# Altium PCB MLB_REV1.PcbDoc (part 2 of 4) (continued)
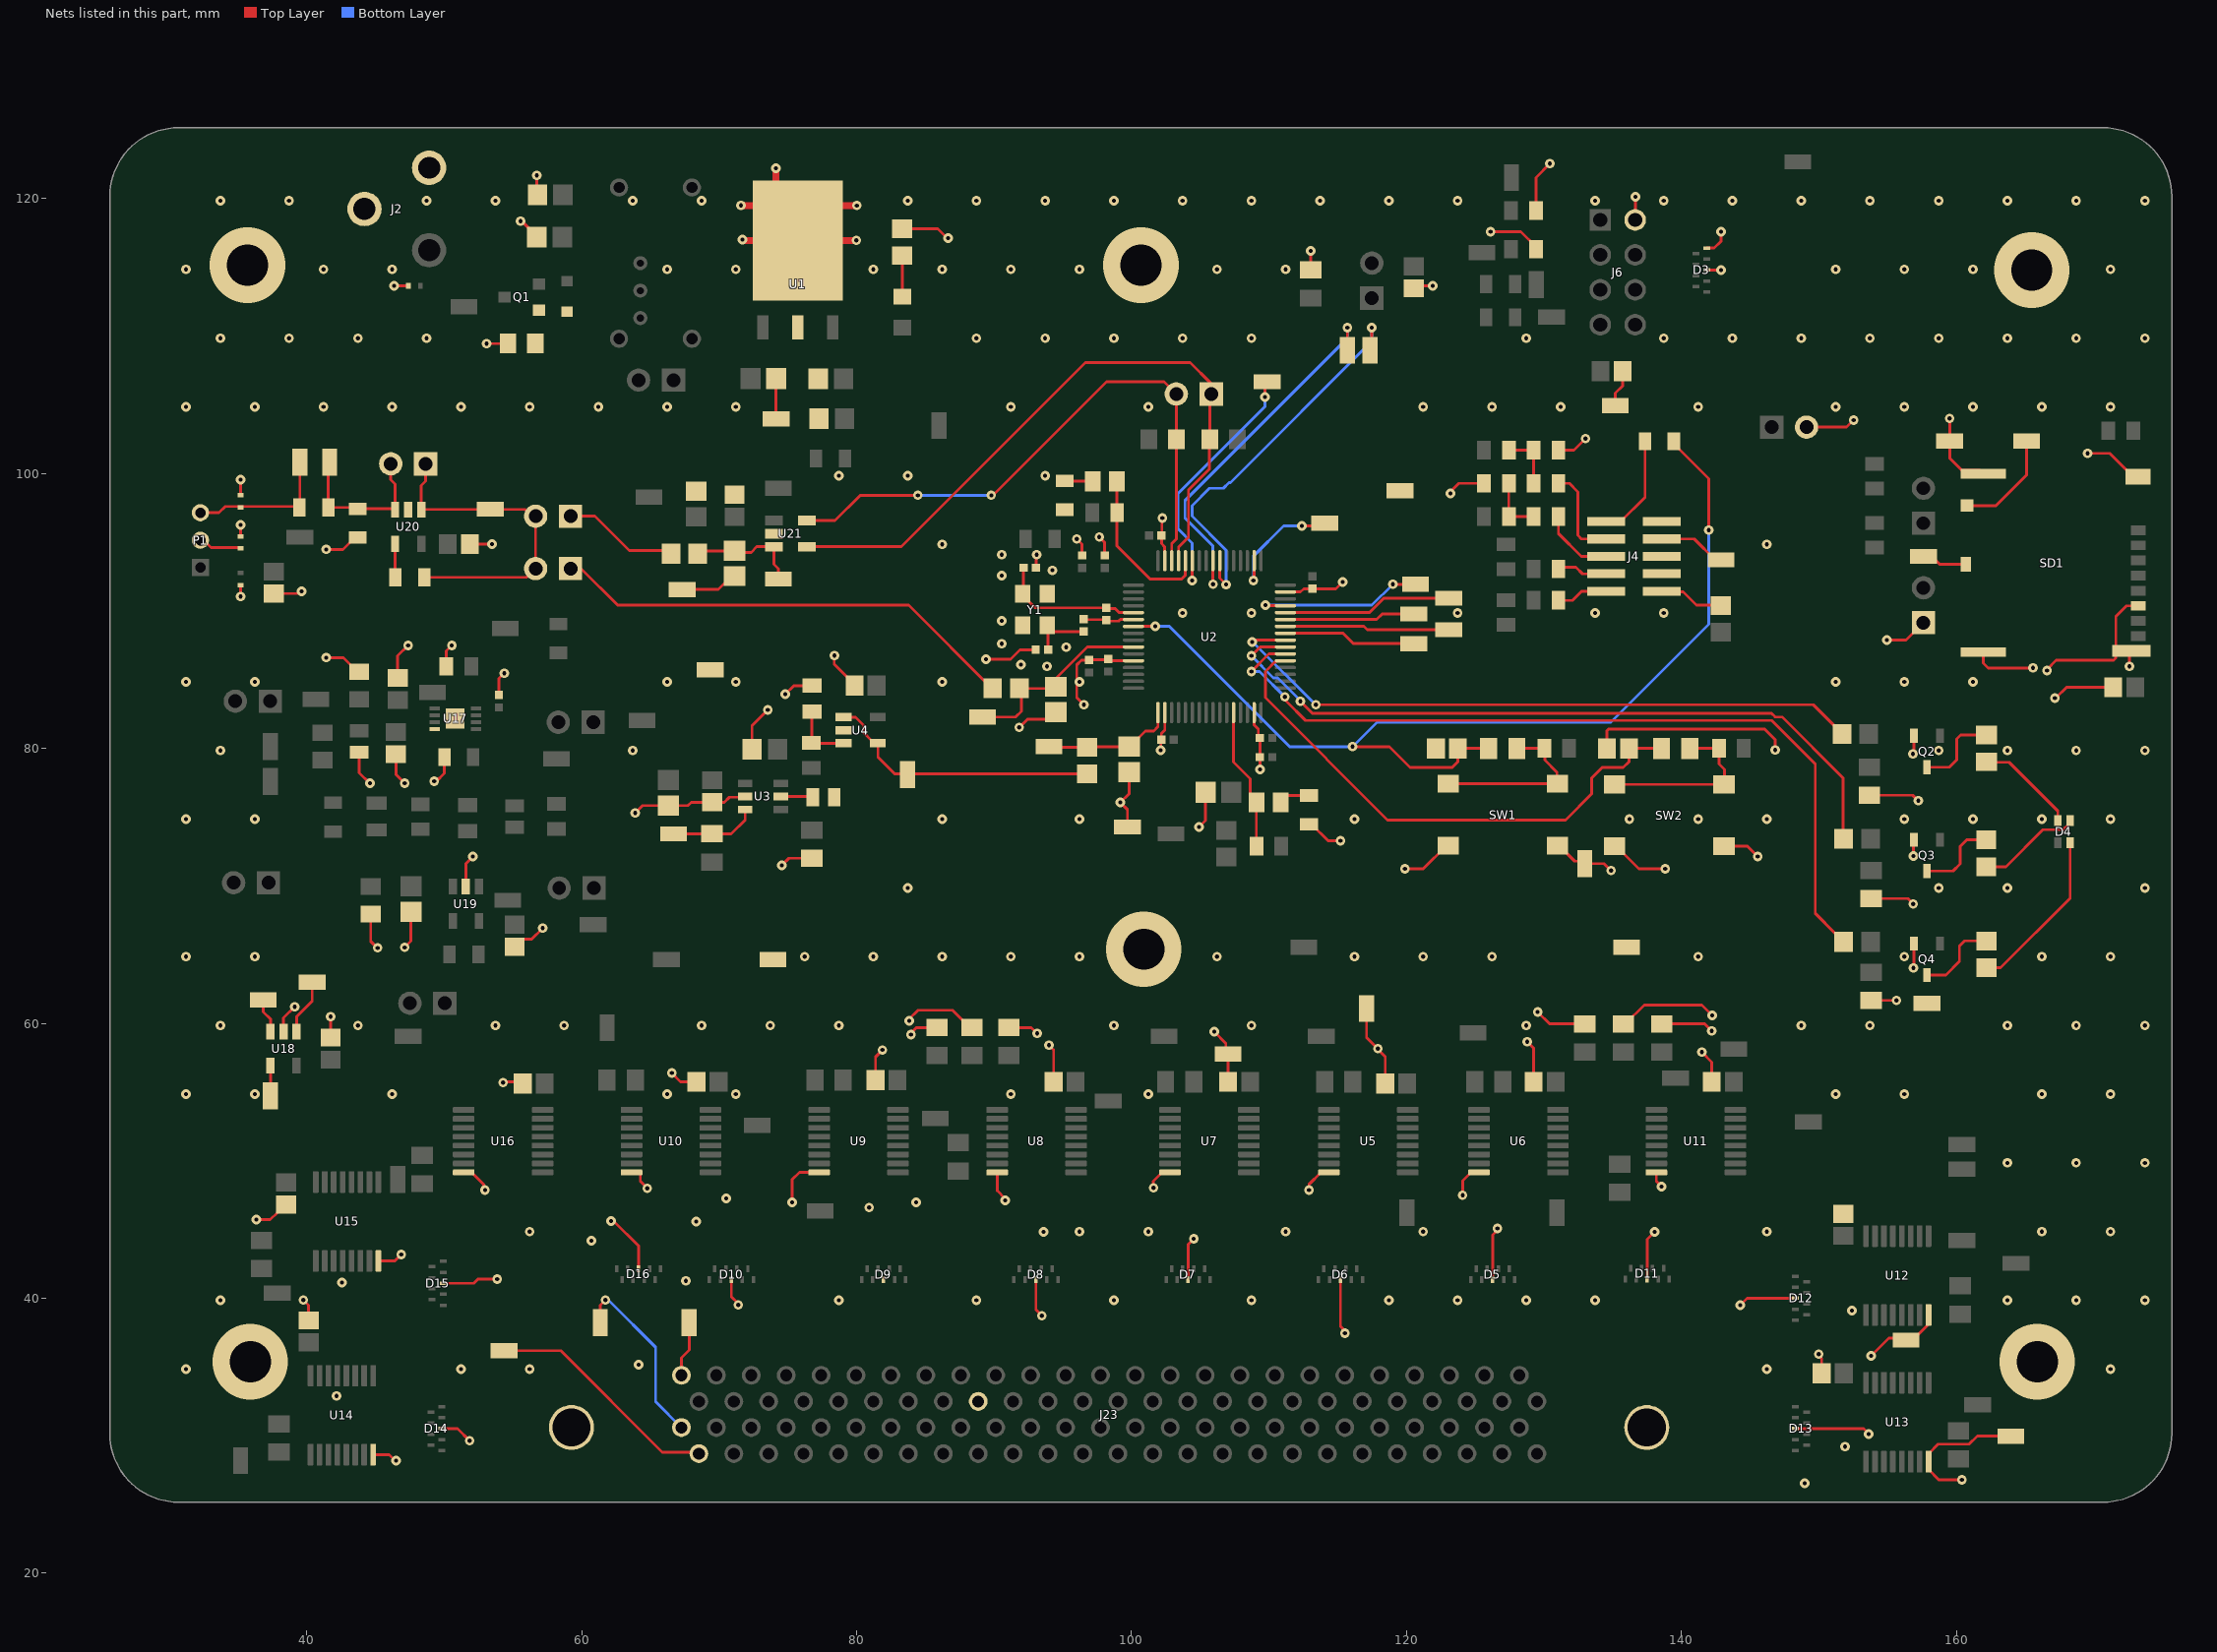
[diagram p4: the nets of this part, all layers, seen from the top]
## Part data (continued)
U4 U18 U19 U20: library part MCP6411T-E_OT, "IC OPAMP GP 1 CIRCUIT SOT23-5", Manufacturer=Microchip, Mouser Part Number=579-MCP6411T-E/OT, Supplier Part Number=MCP6411T-E/OTCT-ND, Arrow Part Number=MCP6411T-E/OT, Arrow Price/Stock=https://www.arrow.com/en/products/mcp6411t-eot/microchip-technology, Datasheet Link=http://ww1.microchip.com/downloads/en/DeviceDoc/20005791B.pdf, Height=1.45mm, Manufacturer Part Number=MCP6411T-E/OT, Mouser Price/Stock=https://www.mouser.com/Search/Refine.aspx?Keyword=579-MCP6411T-E%2FOT, Supplier=Digi-Key
U5 U6 U7 U8 U9 U10 U11 U12 U13 U14 U15 U16: "1 Circuit IC Switch 8:1 750mOhm 16-TSSOP", Package="TSSOP-16 NXP USA", Check_prices=https://www.snapeda.com/parts/NX3L4051PW,118/NXP%20USA%20Inc./view-part/648693/?ref=eda, Digi-Key_Part_Number=568-12393-1-ND, MF="NXP USA", MP=NX3L4051PW,118, Purchase-URL=https://pricing.snapeda.com/search/part/NX3L4051PW,118/?ref=eda, SnapEDA_Link=https://www.snapeda.com/parts/NX3L4051PW,118/NXP%20USA%20Inc./view-part/648693/?ref=snap
U17: library part CMP-0187-00751-2, "None", Case/Package=SOIC, Input Bias Current=10pA, Input Offset Voltage (Vos)=3mV, Manufacturer="Microchip Technology", Max Operating Temperature=125°C, Max Supply Current=800uA, Max Supply Voltage=5.5V, Min Operating Temperature=-40°C, Min Supply Voltage=1.8V, Package Quantity=3300, Power Supply Rejection Ratio (PSRR)=62dB, Supplier Part Number=MCP6N11T-001E/MNYCT-ND, Bandwidth=500kHz, Common Mode Rejection Ratio=70dB, Gain Bandwidth Product=500kHz, Height=0.75mm, Input Offset Voltage-Max=3mV, Lead Free="Lead Free", Length=3mm, Manufacturer Part Number=MCP6N11T-001E/MNY, Mount="Surface Mount", Nominal Supply Current=800uA, Number of Amplifiers=1, Number of Channels=1, Number of Circuits=1, Number of Elements=2, Number of Pins=8, Packaging="Tape and Reel", Radiation Hardening=No, REACH SVHC="No SVHC", RoHS Compliant=Yes, Slew Rate=9V/µs, Supplier=Digi-Key, Supply Current=800uA, Unity Gain Bandwidth Product=500kHz, Width=2mm
U21: "Low Power 12-Bit A/D Converter With I2C Interface, 5-Pin SOT-23, Extended Temperature, Tape and Reel", Manufacturer="Microchip Technology", Supplier Part Number=MCP3221A7T-E/OTCT-ND, Code_IPC=SOT23-5, ComponentLink1Description="Manufacturer URL", ComponentLink1URL=http://www.microchip.com/, ComponentLink2Description=Datasheet, ComponentLink2URL=http://ww1.microchip.com/downloads/en/DeviceDoc/21732c.pdf, ComponentLink3Description="Package Specification", ComponentLink3URL=http://www.microchip.com/stellent/groups/techpub_sg/documents/packagingspec/en012702.pdf, DatasheetVersion="revC, Jul-2006", Manufacturer Part Number=MCP3221A7T-E/OT, PackageDescription="5-Lead Plastic Small Outline Transistor (OT) [SOT-23]", PackageReference=SOT-23-OT5, PackageVersion="revBB, Aug-2009", RevisionNote="URLs added.", Supplier=Digi-Key
Y1: "Crystal 20MHz Â±10ppm (Tol) Â±10ppm (Stability) 9pF FUND 40Ohm 4-Pin Mini-CSMD T/R", Manufacturer="ECS Inc.", Package=None, Supplier Part Number=XC2464CT-ND, Availability=Good, Check_prices=https://www.snapeda.com/parts/ECS-260-9-33B-CKY-TR/ECS%20Inc./view-part/5048361/?ref=eda, Manufacturer Part Number=ECS-200-9-33B-CKY-TR, MF="ECS Inc.", Price=None, Purchase-URL=https://pricing.snapeda.com/search/part/ECS-260-9-33B-CKY-TR/?ref=eda, SnapEDA_Link=https://www.snapeda.com/parts/ECS-260-9-33B-CKY-TR/ECS%20Inc./view-part/5048361/?ref=snap, Supplier=Digi-Key

## Via types
v1: diameter 0.7, hole 0.3, Top Layer to Bottom Layer, tented both sides, 572 vias
v2: diameter 0.7, hole 0.3, Top Layer to Bottom Layer, tented bottom, 79 vias
v3: diameter 5.5, hole 3, Top Layer to Bottom Layer, 6 vias

## Nets (pads, with @x,y where several pads share a name; then routed paths per layer and width w, separated by ;. In a path a pad name is that pad's centre, name@x,y a point inside that pad or via, vN(x,y) a via of type N, cw(c..) or ccw(c..) an arc to the next point about the centre after c; other vN are vias at no path point)
3V3_SENSE: C26.1 R54.2 TP26.1 U2.17 | length 9.6
  Top Layer w0.203: TP26.1@93.98,80.137 94.02,80.097 R54.2@96.774,80.097 96.814,80.137 C26.1@99.822,80.137 99.873,80.137 100.499,80.763 100.499,80.775 101.003,81.28 101.6,81.28 101.914,81.594 U2.17@101.914,82.613
3V3_SENSE_IN: R53.1 R55.2 U4.3 | length 4.6
  Top Layer w0.203: R55.2@76.739,82.673 76.739,80.433 R53.1@76.708,80.402 76.723,80.387 U4.3@79.045,80.387
3V3_SENSE_OUT: R54.1 TP25.1 U4.1 U4.4 | length 22
  Top Layer w0.203: U4.1@79.045,82.287 79.07,82.262 79.917,82.262 80.518,81.661 80.518,81.142 81.071,80.589 81.071,80.585 81.27,80.387 U4.4@81.545,80.387 81.545,79.364 82.764,78.145 83.693,78.145 R54.1@96.774,78.145 ; R54.1@96.801,78.118 97.35,77.57 97.403,77.57 R54.1@96.828,78.145
AUDIO_ADC_IN+: C51.1 R47.2 TP84.1 U21.3 | length 8.4
  Top Layer w0.203: R47.2@68.438,94.183 68.564,94.309 68.564,94.361 C51.1@71.032,94.361 ; C51.1@71.12,94.398 71.069,94.398 C51.1@71.032,94.361 ; TP84.1@74.295,92.329 74.295,93.091 73.984,93.402 U21.3@73.984,94.681 72.735,94.681 72.327,94.273 71.12,94.273 C51.1@71.032,94.361
AUDIO_BUFF_IN+: J28.2 R89.1 R91.2 TP79.1 U20.3 | length 11.7
  Top Layer w0.203: TP79.1@41.656,100.838 41.563,100.745 R89.1@41.563,97.536 43.595,97.536 R91.2@43.688,97.443 46.367,97.443 U20.3@46.421,97.389 46.421,99.248 46.101,99.568 J28.2@46.101,100.711
AUDIO_BUFF_IN-: R92.1 U20.4 | length 2.6
  Top Layer w0.203: U20.4@46.421,94.889 R92.1@46.421,92.556 ; R92.1@46.421,92.556 46.321,92.456 46.384,92.519 R92.1@46.421,92.556
AUDIO_CONN: D17.1 P1.3 R89.2 TP80.1 | length 10.8
  Top Layer w0.203: P1.3@32.258,97.155 33.61,97.155 34.061,97.606 35.179,97.606 39.266,97.606 R89.2@39.463,97.409 ; R89.2@39.463,97.536 39.497,97.57 TP80.1@39.497,100.838
AUDIO_OUT: C48.1 R43.2 TP77.1 U2.10 | length 14.5
  Top Layer w0.203: TP77.1@89.154,82.296 91.567,82.296 91.982,82.711 91.982,84.328 92.021,84.367 94.488,84.367 94.564,84.367 94.603,84.406 94.603,85.205 96.786,87.388 U2.10@100.139,87.388
AUDIO_OUT_J: J25.2 J28.1 J29.2 R92.2 TP78.1 U20.1 | length 24.1
  Top Layer w0.203: R92.2@48.548,92.456 55.969,92.456 56.642,93.129 J29.2@56.642,96.901 56.361,96.901 55.873,97.389 U20.1@48.321,97.389 48.321,99.121 48.641,99.441 J28.1@48.641,100.711
AUDIO_OUT_R: J25.1 R43.1 | length 34.3
  Top Layer w0.203: J25.1@59.182,93.091 59.226,93.047 59.988,93.047 62.611,90.424 83.786,90.424 R43.1@89.882,84.328
BTN_TEST: C20.1 R36.2 U2.37 | length 39.6
  Top Layer w0.203: U2.37@111.189,86.388 110.526,86.388 110.503,86.365 110.494,86.365 110.397,86.267 110.382,86.267 110.16,86.045 110.16,86.03 109.728,85.598 109.728,83.693 118.618,74.803 131.572,74.803 133.477,76.708 133.477,77.851 134.239,78.613 135.763,78.613 136.183,79.033 C20.1@136.183,80.01 R36.2@138.548,80.01
BTN_TEST_R: R34.1 R36.1 SW2.1 SW2.2 | length 12.9
  Top Layer w0.203: SW2.1@135.143,77.386 SW2.2@143.093,77.386 143.129,77.422 143.129,78.486 142.737,78.878 R34.1@142.737,80.01 R36.1@140.598,80.01
GND: C1.2 C2.2 C3.2 C4.2 C5.2 C6.2 C7.2 C8.2 C9.2 C10.2 C11.2 C12.2 C13.2 C14.2 C15.2 C16.2 C17.2 C18.2 C19.2 C20.2 C21.2 C22.2 C23.2 C24.2 C25.2 C26.2 C27.2 C28.2 C29.2 C30.2 C31.2 C32.2 C33.2 C34.2 C35.2 C36.2 C37.2 C38.2 C39.2 C40.2 C41.2 C42.2 C43.1 C44.1 C45.2 C46.1 C47.1 C48.2 C49.2 C50.2 C51.2 D1.2 D3.3 D3.5 D5.3 D6.3 D7.3 D8.3 D9.3 D10.3 D11.3 D12.3 D13.3 D14.3 D15.3 D16.3 D17.2 D18.1 D18.2 D19.2 J2.2 J2.3 J4.3 J4.5 J4.9 J6.2 J8.2 J9.1 J23.33 J23.101 J23.102 P1.2 Q2.2 Q3.2 Q4.2 R11.1 R12.2 R13.1 R14.1 R17.1 R27.1 R31.1 R32.1 R42.1 R45.1 R46.1 R49.1 R50.1 R51.2 R55.1 R58.1 R59.1 R60.1 R65.1 R66.1 R67.1 R75.2 R76.1 R79.1 R80.1 R87.1 R91.1 SD1.6 SD1.11 SD1.12 SD1.13 SD1.14 SW1.3 SW1.4 SW2.3 SW2.4 TP18.1 TP40.1 TP41.1 TP44.1 TP45.1 TP48.1 TP49.1 TP52.1 TP53.1 TP62.1 TP64.1 TP76.1 TP81.1 TP82.1 TP85.1 U1.2 U1.4 U2.12 U2.18 U2.31 U2.47 U2.63 U3.2 U4.2 U5.8 U6.8 U7.8 U8.8 U9.8 U10.8 U11.8 U12.8 U13.8 U14.8 U15.8 U16.8 U17.4 U17.9 U18.2 U19.2 U20.2 U21.2 Y1.2 Y1.4 | length 384.2
  Top Layer w0.203: P1.2@32.258,95.155 32.493,95.155 33.033,94.615 D18.1@35.179,94.615 ; D17.2@35.142,98.425 D17.2@35.179,98.425 v1(35.179,99.568) ; v1(35.179,91.059) D19.2@35.179,91.892 ; D18.2@35.179,95.433 v1(35.179,96.266) ; v1(36.322,45.72) 37.338,45.72 37.854,46.236 37.854,46.274 38.405,46.824 C37.2@38.481,46.824 ; C46.1@37.592,91.274 39.324,91.274 39.49,91.44 v1(39.624,91.44) ; U18.2@38.303,59.416 38.303,60.401 v1(39.116,61.214) ; v1(39.751,39.878) 40.132,39.497 C36.2@40.132,38.393 ; v1(41.402,86.614) 42.658,86.614 43.69,85.582 R79.1@43.815,85.582 ; v1(41.402,94.488) 42.633,94.488 43.488,95.343 R91.1@43.688,95.343 ; C43.1@41.732,58.967 v1(41.732,60.486) ; R80.1@43.815,79.73 43.815,78.232 44.577,77.47 v1(44.597,77.47) ; R87.1@44.653,67.961 44.653,65.964 45.121,65.496 v1(45.154,65.496) ; U14.8@44.82,28.626 45.988,28.626 46.42,28.194 v1(46.482,28.194) ; U15.8@45.201,42.723 46.406,42.723 v1(46.863,43.18) ; v1(46.355,113.665) D1.2@47.385,113.665 ; C41.2@46.482,79.59 46.482,78.105 v1(47.117,77.47) ; C40.2@46.609,85.129 46.609,86.741 v1(47.371,87.503) ; v1(47.117,65.532) 47.574,65.989 C45.2@47.574,68.125 ; v1(49.264,77.614) 49.386,77.614 49.403,77.597 50.004,78.198 R75.2@50.004,79.375 ; D14.3@49.822,30.518 50.969,30.518 v1(51.846,29.641) ; D15.3@49.911,41.097 52.146,41.097 52.451,41.402 v1(53.848,41.402) ; R76.1@50.154,85.979 50.154,87.111 v1(50.546,87.503) ; U16.8@51.41,49.16 51.99,49.16 52.864,48.286 52.864,47.974 v1(52.959,47.879) ; U19.2@51.562,69.957 51.562,71.628 v1(52.07,72.136) ; C47.1@51.855,94.869 v1(53.467,94.869) ; v1(53.07,109.458) 54.61,109.458 R11.1@54.626,109.474 ; C39.2@53.975,83.891 53.975,85.09 v1(54.356,85.471) ; v1(54.279,55.694) 54.339,55.753 55.702,55.753 C38.2@55.702,55.626 ; C44.1@55.118,65.581 55.669,66.132 56.353,66.132 v1(57.15,66.929) ; v1(55.541,118.364) 55.64,118.364 56.732,117.272 C2.2@56.732,117.221 ; v1(56.737,121.693) 56.737,120.301 C1.2@56.769,120.269 ; v1(62.138,45.628) 62.322,45.628 64.135,43.815 D16.3@64.135,42.164 ; U10.8@63.622,49.16 64.157,49.16 64.26,49.057 64.26,48.516 v1(64.77,48.006) ; v1(63.881,75.311) 64.422,75.852 C24.2@66.294,75.852 67.724,75.852 67.963,76.091 C23.2@69.5,76.091 69.518,76.073 70.358,76.073 70.739,76.454 71.826,76.454 U3.2@71.883,76.511 ; v1(66.548,56.388) 67.183,55.753 C32.2@68.346,55.753 ; TP45.1@67.31,91.567 69.94,91.567 71.044,92.671 C51.2@71.12,92.671 ; D10.3@70.883,41.354 70.883,40.115 71.391,39.607 v1(71.391,39.514) ; v1@71.57,119.507 v1(71.58,119.517) ; v1(71.697,117.018) v1@71.771,116.945 ; C22.2@72.383,79.94 72.383,81.654 v1(73.533,82.804) ; U1.4@73.148,119.507 74.131,118.524 U1.4@75.71,116.945 U1.4@78.272,119.507 ; TP44.1@74.133,103.978 C3.2@74.133,106.912 ; v1(74.549,71.501) 75.069,72.021 R51.2@76.739,72.021 ; v1(74.803,83.947) 75.429,84.573 R55.1@76.739,84.573 ; v1(75.311,46.99) 75.311,48.641 75.83,49.16 U9.8@77.267,49.16 ; v1(78.381,86.758) 78.359,86.736 78.359,86.143 79.844,84.658 C25.2@79.844,84.582 ; v1@79.938,116.945 v1(79.973,116.979) ; C31.2@81.368,55.88 81.368,57.56 v1(81.875,58.067) ; R12.2@83.312,117.816 85.892,117.816 86.581,117.127 v1(86.645,117.127) ; v1(83.82,60.198) 83.82,60.325 84.455,60.96 86.981,60.96 88.242,59.699 R66.1@88.392,59.699 ; v1(83.947,59.182) 83.947,59.309 84.337,59.699 R67.1@85.852,59.699 ; v1(89.397,86.49) 89.4,86.487 91.186,86.487 91.885,87.185 C9.2@93.02,87.185 ; U8.8@90.221,49.16 90.221,47.828 90.805,47.244 v1(90.805,47.117) ; R65.1@91.059,59.699 92.695,59.699 v1(93.123,59.271) ; v1(91.821,81.534) 92.426,82.139 93.786,82.139 94.412,82.765 C48.2@94.488,82.765 ; C6.2@93.035,93.154 93.063,93.182 93.063,94.079 v1(93.091,94.107) ; D8.3@93.037,41.354 93.037,39.17 v1(93.472,38.735) ; v1(93.98,58.42) 94.322,58.078 C30.2@94.322,55.753 ; v1(96.012,95.25) 96.393,94.869 C8.2@96.393,94.051 ; v1(96.52,83.185) 96.012,83.693 96.012,86.082 96.361,86.431 C15.2@96.901,86.431 96.937,86.467 98.262,86.467 C16.2@98.298,86.502 98.403,86.397 100.13,86.397 U2.12@100.139,86.388 ; v1(97.649,95.394) 97.649,95.391 98.044,94.996 C7.2@98.044,94.051 ; TP18.1@99.695,74.295 99.695,75.565 v1(99.187,76.073) 99.822,76.708 C26.2@99.822,78.285 ; v1(101.6,48.037) 101.568,48.069 101.568,48.514 102.214,49.16 U7.8@102.794,49.16 ; v1@102.164,79.845 102.136,79.873 102.136,80.617 C13.2@102.164,80.645 102.164,81.082 102.414,81.332 U2.18@102.414,82.613 ; v1(102.235,96.774) 102.207,96.746 102.207,95.532 C12.2@102.179,95.504 102.179,94.899 102.405,94.673 102.405,93.672 U2.63@102.414,93.663 ; D7.3@104.114,41.354 104.114,43.916 v1(104.521,44.323) ; v1(104.902,74.295) 105.371,74.764 105.371,76.782 C42.2@105.399,76.81 ; v1(106.006,59.392) 106.856,58.541 TP81.1@106.856,57.785 ; C29.2@107.022,55.753 TP81.1@107.022,57.785 ; U2.31@108.914,82.613 108.914,81.713 109.22,81.407 109.22,80.884 C10.2@109.332,80.772 C14.2@109.332,79.375 109.339,79.367 109.339,78.494 v1(109.347,78.486) ; U2.47@111.189,91.388 112.288,91.388 112.523,91.623 C11.2@113.157,91.623 114.864,91.623 115.316,92.075 115.316,92.08 v1(115.354,92.117) ; v1(112.903,47.879) 112.903,48.292 113.771,49.16 U5.8@114.351,49.16 ; R17.1@112.903,74.481 113.103,74.481 114.305,73.279 v1(115.189,73.279) ; R45.1@113.03,114.817 v1(113.03,116.205) ; D6.3@115.191,41.354 115.191,37.971 115.443,37.719 115.443,37.544 v1(115.522,37.465) ; TP49.1@117.094,61.087 117.094,58.98 v1(117.914,58.16) 117.983,58.091 117.983,58.039 118.452,57.57 C27.2@118.452,55.626 ; v1(119.888,71.247) 121.213,71.247 122.9,72.934 SW1.3@123.025,72.934 ; C21.2@120.523,113.481 120.711,113.67 v1(121.915,113.67) ; v1(123.19,98.552) 123.19,98.679 123.799,99.288 R13.1@125.64,99.288 ; v1(124.079,47.498) 124.079,48.546 124.693,49.16 U6.8@125.273,49.16 ; v1(126.111,117.602) 128.318,117.602 129.413,116.507 R32.1@129.413,116.332 ; D5.3@126.268,41.354 126.268,44.607 126.619,44.958 v1(126.619,45.085) ; v1(128.778,58.674) 129.247,58.205 C28.2@129.247,55.753 ; R31.1@129.413,119.126 129.413,121.539 v1(130.429,122.555) ; v1(129.54,60.833) 130.411,59.962 R58.1@132.969,59.962 ; SW1.4@130.975,72.934 131.1,72.934 132.233,71.801 132.796,71.801 TP48.1@132.969,71.628 134.366,71.628 v1(134.874,71.12) ; R14.1@131.05,101.701 132.181,101.701 133.013,102.533 v1(133.013,102.549) ; C20.2@135.113,80.541 C20.2@134.581,80.01 134.581,81.288 134.7,81.407 146.05,81.407 146.812,80.645 v1(146.812,79.887) ; SW2.3@135.143,72.886 135.268,72.886 136.906,71.247 v1(138.811,71.247) ; TP64.1@135.193,104.943 135.193,105.856 135.714,106.377 C19.2@135.714,107.442 ; R59.1@135.763,59.962 135.913,59.962 137.292,61.341 141.478,61.341 v1(142.24,60.579) ; J6.2@136.632,118.453 136.642,118.463 136.642,120.132 v1(136.652,120.142) ; D11.3@137.503,41.402 137.503,44.285 v1(138.049,44.831) ; U11.8@138.176,49.16 138.176,48.514 v1(138.557,48.133) ; R60.1@138.557,59.962 141.679,59.962 v1(142.192,59.449) ; v1(141.478,57.912) 142.201,57.189 C33.2@142.201,55.753 ; D3.3@141.859,114.808 v1(142.875,114.808) ; D3.5@141.859,116.408 142.378,116.408 142.875,116.905 v1(142.875,117.602) ; SW2.4@143.093,72.886 144.792,72.886 v1(145.542,72.136) ; v1(144.272,39.497) 144.78,40.005 D12.3@148.298,40.005 ; D13.3@148.298,30.518 153.251,30.518 153.639,30.13 v1(153.626,30.13) ; J8.2@149.098,103.378 152.019,103.378 v1(152.527,103.886) ; v1(149.987,35.941) 149.987,35.807 150.202,35.591 C35.2@150.202,34.544 ; R42.1@153.67,76.6 156.826,76.6 v1(157.226,76.2) ; v1(153.797,35.814) 155.087,37.104 156.964,37.104 157.874,38.013 157.874,38.683 U12.8@157.977,38.786 ; R49.1@153.797,61.677 v1(155.645,61.677) ; R46.1@153.797,69.079 156.473,69.079 156.859,68.693 v1(156.859,68.69) ; v1(154.94,87.884) 156.337,87.884 J9.1@157.607,89.154 ; v1(156.842,79.604) 156.904,79.666 Q2.2@156.904,80.927 ; v1(156.87,72.187) 156.887,72.203 156.887,73.354 Q3.2@156.904,73.37 ; v1(156.882,64.041) 156.904,64.062 Q4.2@156.904,65.814 ; v1(159.512,104.013) 159.512,101.117 SD1.13@160.4,100.229 ; v1(160.401,26.797) 158.718,26.797 157.977,27.538 U13.8@157.977,28.118 157.977,28.698 158.666,29.387 160.931,29.387 161.516,29.972 TP82.1@163.957,29.972 ; SD1.12@161.948,87.021 161.948,86.21 162.306,85.852 165.553,85.852 v1(165.576,85.874) ; v1(166.589,85.669) 166.589,85.747 167.259,86.417 171.433,86.417 171.582,86.566 171.582,87.075 171.608,87.101 171.608,89.616 172.373,90.381 SD1.6@173.228,90.381 ; v1(167.167,83.676) 167.184,83.693 167.259,83.693 168.021,84.455 C18.2@171.411,84.455 ; v1(169.545,101.473) 171.156,101.473 172.868,99.761 SD1.14@173.213,99.761 ; v1(172.593,85.979) 172.593,86.966 SD1.11@172.728,87.101 ; SD1.13@160.4,100.229 160.648,99.981 SD1.13@161.948,99.981 161.7,100.229 SD1.13@160.4,100.229
  Top Layer w0.508: v1@71.57,119.507 U1.4@73.148,119.507 ; v1@71.771,116.945 U1.4@75.71,116.945 v1@79.938,116.945 ; U1.4@74.131,118.524 v1(74.131,122.21) ; U1.4@78.272,119.507 v1(80.01,119.507)
  other v1: 148.971,26.543 151.892,29.21 42.164,32.893 31.212,34.855 51.212,34.855 56.212,34.855 146.212,34.855 171.212,34.855 64.135,35.179 152.4,39.116 33.712,39.855 78.712,39.855 88.712,39.855 98.712,39.855 108.712,39.855 118.712,39.855 123.712,39.855 128.712,39.855 133.712,39.855 163.712,39.855 168.712,39.855 173.712,39.855 42.545,41.148 67.564,41.275 60.706,44.196 93.599,44.831 56.212,44.855 96.212,44.855 101.212,44.855 111.212,44.855 121.212,44.855 146.212,44.855 166.212,44.855 171.212,44.855 68.326,45.593 80.899,46.609 84.328,46.99 70.515,47.264 163.712,49.855 168.712,49.855 173.712,49.855 31.212,54.855 36.212,54.855 46.212,54.855 66.212,54.855 71.212,54.855 91.212,54.855 101.212,54.855 151.212,54.855 156.212,54.855 166.212,54.855 171.212,54.855 33.712,59.855 43.712,59.855 53.712,59.855 58.712,59.855 68.712,59.855 73.712,59.855 78.712,59.855 98.712,59.855 108.712,59.855 128.712,59.855 148.712,59.855 153.712,59.855 163.712,59.855 168.712,59.855 173.712,59.855 31.212,64.855 36.212,64.855 76.212,64.855 81.212,64.855 86.212,64.855 91.212,64.855 96.212,64.855 106.212,64.855 116.212,64.855 121.212,64.855 126.212,64.855 141.212,64.855 156.212,64.855 166.212,64.855 171.212,64.855 83.712,69.855 158.712,69.855 163.712,69.855 173.712,69.855 31.212,74.855 36.212,74.855 86.212,74.855 96.212,74.855 116.212,74.855 136.212,74.855 141.212,74.855 146.212,74.855 156.212,74.855 161.212,74.855 166.212,74.855 171.212,74.855 33.712,79.855 63.712,79.855 158.712,79.855 163.712,79.855 168.712,79.855 173.712,79.855 102.108,79.883 31.212,84.855 36.212,84.855 66.212,84.855 71.212,84.855 86.212,84.855 96.212,84.855 151.212,84.855 156.212,84.855 161.212,84.855 93.853,85.979 91.948,86.106 95.25,87.376 90.551,87.63 90.551,89.281 103.712,89.855 108.712,89.855 123.712,89.855 133.712,89.855 138.712,89.855 90.551,92.583 94.234,92.964 90.551,94.107 86.212,94.855 146.212,94.855 78.712,99.855 83.712,99.855 93.712,99.855 31.212,104.855 36.212,104.855 41.212,104.855 46.212,104.855 51.212,104.855 56.212,104.855 61.212,104.855 66.212,104.855 71.212,104.855 91.212,104.855 101.212,104.855 121.212,104.855 126.212,104.855 131.212,104.855 141.212,104.855 151.212,104.855 156.212,104.855 161.212,104.855 166.212,104.855 171.212,104.855 33.712,109.855 38.712,109.855 43.712,109.855 48.712,109.855 88.712,109.855 93.712,109.855 98.712,109.855 103.712,109.855 108.712,109.855 128.712,109.855 138.712,109.855 143.712,109.855 148.712,109.855 153.712,109.855 158.712,109.855 163.712,109.855 168.712,109.855 173.712,109.855 31.212,114.855 41.212,114.855 46.212,114.855 66.212,114.855 71.212,114.855 81.212,114.855 86.212,114.855 91.212,114.855 96.212,114.855 106.212,114.855 111.212,114.855 151.212,114.855 156.212,114.855 161.212,114.855 171.212,114.855 33.712,119.855 38.712,119.855 48.712,119.855 53.712,119.855 63.712,119.855 68.712,119.855 83.712,119.855 88.712,119.855 93.712,119.855 98.712,119.855 103.712,119.855 108.712,119.855 113.712,119.855 118.712,119.855 123.712,119.855 133.712,119.855 138.712,119.855 143.712,119.855 148.712,119.855 153.712,119.855 158.712,119.855 163.712,119.855 168.712,119.855 173.712,119.855
  other v3: 35.882,35.395 165.882,35.395 100.882,65.395 165.481,114.808 35.671,115.166 100.671,115.166
GPIO_RGB_B: R48.1 U2.38 | length 60.8
  Top Layer w0.203: v1(108.712,85.598) 109.993,86.879 111.18,86.879 U2.38@111.189,86.888 ; v1(111.15,83.761) 111.245,83.666 111.245,83.446 112.649,82.042 146.558,82.042 149.733,78.867 149.733,68.006 151.168,66.57 151.222,66.57 151.798,65.995 R48.1@151.798,65.941
  Bottom Layer w0.203: v1(108.712,85.598) 109.312,85.598 v1(111.15,83.761)
GPIO_RGB_G: R44.1 U2.39 | length 53.9
  Top Layer w0.203: v1(108.712,86.741) 109.359,87.388 U2.39@111.189,87.388 ; v1(112.268,83.439) 113.157,82.55 146.553,82.55 146.807,82.296 147.323,82.296 151.765,77.854 151.765,73.467 R44.1@151.798,73.434
  Bottom Layer w0.203: v1(108.712,86.741) 110.315,85.138 110.626,85.138 112.268,83.496 v1(112.268,83.439)
GPIO_RGB_R: R41.1 U2.40 | length 48.2
  Top Layer w0.203: v1(108.779,87.757) 108.846,87.757 108.977,87.888 U2.40@111.189,87.888 ; v1(113.411,83.185) 149.594,83.185 151.671,81.108 R41.1@151.671,81.054
  Bottom Layer w0.203: v1(108.779,87.757) 108.809,87.757 113.381,83.185 v1(113.411,83.185)
I2C_SCL: J10.2 R19.2 U2.62 U21.5 | length 43.7
  Top Layer w0.203: U21.5@76.384,96.581 78.42,96.581 80.264,98.425 v1(84.455,98.425) ; v1(89.789,98.425) 89.916,98.425 98.171,106.68 102.362,106.68 J10.2@103.251,105.791 R19.2@103.251,102.489 103.251,95.25 102.914,94.913 U2.62@102.914,93.663
  Bottom Layer w0.203: v1(84.455,98.425) v1(89.789,98.425)
I2C_SDA: J10.1 R18.2 U2.61 U21.4 | length 49.5
  Top Layer w0.203: U21.4@76.384,94.681 83.251,94.681 96.647,108.077 104.267,108.077 105.747,106.597 105.747,105.835 J10.1@105.791,105.791 105.696,105.696 R18.2@105.696,102.489 105.664,102.457 105.664,100.33 104.14,98.806 104.14,95.377 103.414,94.651 U2.61@103.414,93.663
IDC_PIN_50: J23.50 TP73.1 | length 4.1
  Top Layer w0.203: J23.50@67.251,34.4 67.251,35.664 67.818,36.231 TP73.1@67.818,38.227
IDC_PIN_99: J23.99 TP72.1 | length 17.2
  Top Layer w0.203: TP72.1@54.356,36.195 58.47,36.195 65.865,28.8 J23.99@68.521,28.8
IDC_PIN_100: J23.100 TP71.1 | length 13.5
  Top Layer w0.203: TP71.1@61.341,38.227 61.341,39.497 v1(61.722,39.878)
  Bottom Layer w0.203: v1(61.722,39.878) 61.817,39.783 62.036,39.783 65.374,36.445 65.374,32.477 J23.100@67.251,30.6
JTAG_RST_N: J4.10 R10.2 | length 7.6
  Top Layer w0.203: J4.10@134.527,96.52 135.587,96.52 137.346,98.279 R10.2@137.346,102.362
JTAG_TDI: R4.1 R9.2 R14.2 | length 4.2
  Top Layer w0.203: R4.1@127.44,101.701 R14.2@129.25,101.701 R9.2@129.25,99.288
JTAG_TDO: R3.1 R8.2 R13.2 | length 4.2
  Top Layer w0.203: R13.2@127.44,99.288 R3.1@127.44,96.875 R8.2@129.25,96.875
LS_FLG: R52.2 TP24.1 U3.3 | length 6.4
  Top Layer w0.203: TP24.1@66.675,73.787 66.684,73.796 R52.2@69.469,73.796 70.875,73.796 71.883,74.804 U3.3@71.883,75.561
MCU_BOOT0: R22.1 R24.2 U2.60 | length 11.9
  Top Layer w0.203: R24.2@98.919,99.441 98.919,97.18 R22.1@98.944,97.155 98.933,97.144 98.933,94.742 101.346,92.329 103.632,92.329 103.905,92.602 103.905,93.654 U2.60@103.914,93.663
MCU_BOOT1: R15.1 R16.2 U2.28 | length 10.4
  Top Layer w0.203: U2.28@107.414,82.613 107.414,79.022 108.634,77.802 108.634,76.546 R16.2@109.107,76.073 109.071,76.037 109.071,72.909 R15.1@109.082,72.898
MCU_NRST: C17.1 R10.1 R26.2 U2.7 | length 75.2
  Top Layer w0.203: U2.7@100.139,88.888 100.146,88.895 101.722,88.895 v1(101.727,88.9) ; v1(116.078,80.137) 118.745,80.137 120.269,78.613 123.317,78.613 123.737,79.033 C17.1@123.737,80.01 R26.2@125.975,80.01 ; R10.1@139.446,102.362 139.446,102.162 141.986,99.622 v1(141.986,95.885)
  Bottom Layer w0.203: v1(101.727,88.9) 102.743,88.9 111.506,80.137 v1(116.078,80.137) 117.856,81.915 134.874,81.915 141.986,89.027 v1(141.986,95.885)
MCU_PA8: TP8.1 U2.41 | length 9.6
  Top Layer w0.203: U2.41@111.189,88.388 115.372,88.388 116.13,87.63 TP8.1@120.523,87.63
MCU_PA9: TP9.1 U2.42 | length 12
  Top Layer w0.203: U2.42@111.189,88.888 116.904,88.888 117.146,88.646 TP9.1@123.063,88.646
MCU_PA10: TP10.1 U2.43 | length 9.5
  Top Layer w0.203: U2.43@111.189,89.388 117.836,89.388 118.237,89.789 TP10.1@120.523,89.789
MCU_PA11: TP11.1 U2.44 | length 12.3
  Top Layer w0.203: U2.44@111.189,89.888 117.301,89.888 118.345,90.932 TP11.1@123.063,90.932
MCU_PA12: TP12.1 U2.45 | length 13
  Top Layer w0.203: v1(109.728,90.424) 109.764,90.388 U2.45@111.189,90.388 ; v1(118.999,91.948) TP12.1@120.65,91.948
  Bottom Layer w0.203: v1(109.728,90.424) 117.475,90.424 v1(118.999,91.948)
MCU_PA15: TP13.1 U2.50 | length 9.4
  Top Layer w0.203: v1(108.858,92.215) 108.914,92.271 U2.50@108.914,93.663 ; v1(112.379,96.199) 113.852,96.199 TP13.1@114.046,96.393
  Bottom Layer w0.203: v1(108.858,92.215) 108.858,93.999 111.058,96.199 v1(112.379,96.199)
MCU_PB3: TP5.1 U2.55 | length 29.4
  Top Layer w0.203: U2.55@106.414,93.663 106.414,92.4 106.866,91.948 v1(106.866,91.926) ; TP5.1@117.348,108.966 117.475,109.093 v1(117.475,110.617)
  Bottom Layer w0.203: v1(106.866,91.926) 106.866,94.429 104.394,96.901 104.394,97.663 105.664,98.933 106.68,98.933 107.092,99.345 107.184,99.345 117.475,109.636 v1(117.475,110.617)
MCU_PB4: TP6.1 U2.56 | length 27.8
  Top Layer w0.203: U2.56@105.914,93.663 105.918,93.663 v1(105.918,91.948) ; TP6.1@115.697,108.966 v1(115.697,110.617)
  Bottom Layer w0.203: v1(105.918,91.948) 105.918,94.742 103.886,96.774 103.886,98.044 115.697,109.855 v1(115.697,110.617)
MCU_PB7: TP7.1 U2.59 | length 19
  Top Layer w0.203: v1(104.408,92.222) 104.414,92.228 U2.59@104.414,93.663 ; v1(109.698,105.577) 109.698,106.523 TP7.1@109.855,106.68
  Bottom Layer w0.203: v1(104.408,92.222) 104.408,94.939 103.378,95.969 103.378,98.552 109.698,104.872 v1(109.698,105.577)
MCU_PH0_OSC_IN: C6.1 R21.2 U2.5 Y1.3 | length 10.6
  Top Layer w0.203: C6.1@92.131,93.154 92.131,91.323 Y1.3@92.064,91.257 92.064,91.157 92.979,90.241 R21.2@98.171,90.241 98.234,90.178 98.298,90.178 98.798,90.178 99.088,89.888 U2.5@100.139,89.888
MCU_PH1_OSC_OUT: R21.1 R23.1 U2.6 | length 3.7
  Top Layer w0.203: R23.1@96.52,89.416 96.559,89.376 98.132,89.376 R21.1@98.171,89.337 98.234,89.273 99.052,89.273 99.167,89.388 U2.6@100.139,89.388
NetC9_1: C9.1 R23.2 Y1.1 | length 4.6
  Top Layer w0.203: C9.1@93.924,87.185 93.924,88.896 Y1.1@93.864,88.956 94.309,88.511 R23.2@96.52,88.511
NetD2_2: D2.2 Q1.1 R11.2
NetD4_1: D4.1 R39.1 | length 7.4
  Top Layer w0.203: R39.1@162.179,79.035 162.22,78.994 163.838,78.994 167.375,75.457 D4.1@167.375,74.752
NetD4_2: D4.2 R37.1 | length 7.6
  Top Layer w0.203: R37.1@162.172,71.402 163.604,71.402 166.3,74.098 167.755,74.098 168.102,74.444 168.102,74.579 D4.2@168.275,74.752
NetD4_3: D4.3 R38.1 | length 12.2
  Top Layer w0.203: R38.1@162.179,64.048 163.215,64.048 168.275,69.108 D4.3@168.275,73.152
NetDS1_2: DS1.2 R12.1 | length 3.1
  Top Layer w0.203: DS1.2@83.33,112.863 83.33,115.842 R12.1@83.457,115.842
NetJ4_1: J4.1 R5.2 | length 4.7
  Top Layer w0.203: J4.1@138.557,91.44 138.604,91.393 140.128,91.393 141.097,90.424 142.792,90.424 R5.2@142.807,90.409
NetJ4_2: J4.2 R6.1 | length 3.8
  Top Layer w0.203: R6.1@131.05,90.779 132.066,90.779 132.728,91.44 J4.2@134.527,91.44
NetJ4_4: J4.4 R7.1 | length 3.7
  Top Layer w0.203: R7.1@131.05,93.065 131.177,93.192 132.32,93.192 132.802,92.71 J4.4@134.527,92.71
NetJ4_6: J4.6 R8.1 | length 5.4
  Top Layer w0.203: R8.1@131.05,96.875 131.05,95.645 132.715,93.98 J4.6@134.527,93.98
NetJ4_7: J4.7 TP4.1 | length 5.1
  Top Layer w0.203: J4.7@138.684,95.123 J4.7@138.557,95.25 140.926,95.25 142.45,93.726 TP4.1@142.875,93.726
NetJ4_8: J4.8 R9.1 | length 7
  Top Layer w0.203: R9.1@131.05,99.288 131.85,99.288 132.461,98.677 132.461,95.504 132.715,95.25 J4.8@134.527,95.25
NetJ29_1: J29.1 R47.1 | length 8.4
  Top Layer w0.203: J29.1@59.182,96.901 60.96,96.901 63.449,94.412 66.258,94.412 R47.1@66.487,94.183
NetQ2_3: Q2.3 R39.2 | length 6.2
  Top Layer w0.203: Q2.3@157.854,78.641 159.489,78.641 160.02,79.172 160.02,80.696 160.309,80.985 R39.2@162.179,80.985
NetQ3_3: Q3.3 R37.2 | length 6
  Top Layer w0.203: Q3.3@157.854,71.084 159.756,71.084 160.274,71.603 160.274,72.873 160.755,73.354 R37.2@162.172,73.354
NetQ4_3: Q4.3 R38.2 | length 6
  Top Layer w0.203: Q4.3@157.854,63.528 159.23,63.528 160.223,64.521 160.223,65.634 160.589,66 R38.2@162.179,66
NetR16_1: R16.1 R17.2 | length 3.3
  Top Layer w0.203: R16.1@110.857,76.073 R16.1@110.984,75.946 ; R16.1@111.047,76.01 R16.1@110.984,75.946 ; R17.2@112.903,76.581 R16.1@111.111,76.581 ; R16.1@110.984,75.946 R16.1@111.111,76.073 ; R16.1@111.111,76.073 R16.1@111.111,76.581 ; R16.1@111.111,76.073 R16.1@111.111,76.581
NetR24_1: R24.1 R27.2 | length 2.1
  Top Layer w0.203: R27.2@95.123,99.475 95.157,99.441 R24.1@97.169,99.441
NetR25_1: R25.1 R26.1 SW1.1 SW1.2 | length 12.9
  Top Layer w0.203: SW1.1@123.025,77.434 SW1.2@130.975,77.434 130.949,77.46 130.949,78.27 130.069,79.149 130.069,79.978 R25.1@130.037,80.01 R26.1@128.025,80.01
NetR50_2: R50.2 U3.5 | length 2.3
  Top Layer w0.203: U3.5@74.483,76.511 76.75,76.511 R50.2@76.807,76.454
NetSD1_9: SD1.9 TP14.1 | length 3.2
  Top Layer w0.203: TP14.1@157.625,94.142 158.05,94.142 158.786,93.406 SD1.9@160.528,93.406
NetSD1_10: SD1.10 TP15.1 | length 7.6
  Top Layer w0.203: SD1.10@160.763,97.671 162.872,97.671 165.1,99.899 TP15.1@165.1,102.235
OPAMP_IN+: TP65.1 U18.3 | length 2.5
  Top Layer w0.203: TP65.1@36.83,61.722 36.83,60.833 37.353,60.31 U18.3@37.353,59.416
OPAMP_IN-: TP68.1 U18.4 | length 2.2
  Top Layer w0.203: TP68.1@37.338,54.737 37.353,54.752 U18.4@37.353,56.916
OPAMP_OUT: TP67.1 U18.1 | length 4
  Top Layer w0.203: U18.1@39.253,59.416 39.253,60.497 40.386,61.63 TP67.1@40.386,62.992